# Allegro board 038RT-9068CJK8E-A100_0921.brd (continued)
## Placement (name value [footprint] x y rotation side) (continued)
NOREF#5095  -  []  592.37 267.02 0 top
NOREF#5096  -  []  458.96 48.93 0 top
NOREF#5097  -  []  325.24 240.39 90 top
NOREF#5098  -  []  615.48 152.6 0 top
NOREF#5099  -  []  404.11 201.81 0 top
NOREF#5100  -  []  622.28 218.63 0 top
NOREF#5101  -  []  602.91 241.71 0 top
NOREF#5102  -  []  360.57 212.59 90 top
NOREF#5103  -  []  617.08 316.87 90 top
NOREF#5104  -  []  96.97 211.43 90 top
NOREF#5105  -  []  274.78 280.37 90 top
NOREF#5106  -  []  531.98 204.44 0 top
NOREF#5107  -  []  88.57 268.62 0 top
NOREF#5108  -  []  397.3 212.6 90 top
NOREF#5109  -  []  169.95 445.82 0 top
NOREF#5110  -  []  608.18 181.06 90 top
NOREF#5111  -  []  407.67 260.59 0 top
NOREF#5112  -  []  678.41 276.87 0 top
NOREF#5113  -  []  228.75 144.61 0 top
NOREF#5114  -  []  281.27 268.62 0 top
NOREF#5115  -  []  516.16 41.35 90 top
NOREF#5116  -  []  117.2 309.88 0 top
NOREF#5117  -  []  288.56 250.87 90 top
NOREF#5118  -  []  628.51 196.98 0 top
NOREF#5119  -  []  340.12 426.39 0 top
NOREF#5120  -  []  331.99 424.48 90 top
NOREF#5121  -  []  117.15 279.84 90 top
NOREF#5122  -  []  500.92 44.55 0 top
NOREF#5123  -  []  284.5 200.59 90 top
NOREF#5124  -  []  242.71 201.95 90 top
NOREF#5125  -  []  605.59 201.85 90 top
NOREF#5126  -  []  270.55 436.97 90 top
NOREF#5127  -  []  277.71 272.23 0 top
NOREF#5128  -  []  410.1 271 90 top
NOREF#5129  -  []  292.09 268.21 0 top
NOREF#5130  -  []  259.01 213.31 0 top
NOREF#5131  -  []  65.5 193.27 0 top
NOREF#5132  -  []  604.38 134.37 0 top
NOREF#5133  -  []  91.37 265.03 90 top
NOREF#5134  -  []  542.4 432.05 0 top
NOREF#5135  -  []  7.76 52.32 90 top
NOREF#5136  -  []  535.06 46.5 90 top
NOREF#5137  -  []  519.43 225.76 0 top
NOREF#5138  -  []  86.97 263.02 0 top
NOREF#5139  -  []  622.66 309.88 0 top
NOREF#5140  -  []  408.5 201.39 90 top
NOREF#5141  -  []  173.01 266.69 0 top
NOREF#5142  -  []  278.49 209.81 0 top
NOREF#5143  -  []  288.11 264.21 0 top
NOREF#5144  -  []  195.9 214.96 90 top
NOREF#5145  -  []  599.17 207.45 90 top
NOREF#5146  -  []  287.29 269.03 90 top
NOREF#5147  -  []  402.9 211 90 top
NOREF#5148  -  []  386.86 261.86 90 top
NOREF#5149  -  []  517.83 415.37 0 top
NOREF#5150  -  []  99.69 229.46 90 top
NOREF#5151  -  []  279.7 203.8 90 top
NOREF#5152  -  []  434.68 274.83 0 top
NOREF#5153  -  []  638.54 347.76 90 top
NOREF#5154  -  []  207.73 96.61 90 top
NOREF#5155  -  []  440.32 280.64 0 top
NOREF#5156  -  []  684.26 269.52 90 top
NOREF#5157  -  []  583.98 241.7 0 top
NOREF#5158  -  []  121.35 270 90 top
NOREF#5159  -  []  679.31 207.6 90 top
NOREF#5160  -  []  404.47 207.02 0 top
NOREF#5161  -  []  488.58 417.96 90 top
NOREF#5162  -  []  602.39 266.65 90 top
NOREF#5163  -  []  157.3 225.22 0 top
NOREF#5164  -  []  100.97 206.63 90 top
NOREF#5165  -  []  76.56 160.02 90 top
NOREF#5166  -  []  417.35 265.79 90 top
NOREF#5167  -  []  145.3 336.22 0 top
NOREF#5168  -  []  566.05 205.62 90 top
NOREF#5169  -  []  154.12 27.68 0 top
NOREF#5170  -  []  399.67 270.22 0 top
NOREF#5171  -  []  189.31 434.8 0 top
NOREF#5172  -  []  410.49 201.03 90 top
NOREF#5173  -  []  285.67 268.25 90 top
NOREF#5174  -  []  284.89 212.25 90 top
NOREF#5175  -  []  280.5 259.8 90 top
NOREF#5176  -  []  90.97 150.04 90 top
NOREF#5177  -  []  638.54 145.52 90 top
NOREF#5178  -  []  506.73 445.44 90 top
NOREF#5179  -  []  602.39 269.81 0 top
NOREF#5180  -  []  105.38 202.96 90 top
NOREF#5181  -  []  150.53 436.75 0 top
NOREF#5182  -  []  337.67 227.96 0 top
NOREF#5183  -  []  340.54 17.88 90 top
NOREF#5184  -  []  73.52 316.87 90 top
NOREF#5185  -  []  514.03 260.48 90 top
NOREF#5186  -  []  398.87 269.42 0 top
NOREF#5187  -  []  508.85 45.59 90 top
NOREF#5188  -  []  638.54 160.43 90 top
NOREF#5189  -  []  565.51 309.88 0 top
NOREF#5190  -  []  107.35 426.58 90 top
NOREF#5191  -  []  284.87 265.03 90 top
NOREF#5192  -  []  20.08 369.99 0 top
NOREF#5193  -  []  85.4 259.02 0 top
NOREF#5194  -  []  417.85 201.92 0 top
NOREF#5195  -  []  89.79 209.01 0 top
NOREF#5196  -  []  290.51 273.01 0 top
NOREF#5197  -  []  250.33 205.67 90 top
NOREF#5198  -  []  402.49 207.45 90 top
NOREF#5199  -  []  541 433.7 0 top
NOREF#5200  -  []  340.65 273.66 90 top
NOREF#5201  -  []  592.43 240.8 90 top
NOREF#5202  -  []  238.83 209.39 90 top
NOREF#5203  -  []  379.01 206.2 0 top
NOREF#5204  -  []  104.51 208.13 0 top
NOREF#5205  -  []  604.01 273.83 0 top
NOREF#5206  -  []  19.11 390.21 0 top
NOREF#5207  -  []  77.56 197.87 0 top
NOREF#5208  -  []  436.51 286.73 0 top
NOREF#5209  -  []  673.94 58.67 0 top
NOREF#5210  -  []  593.97 211.82 0 top
NOREF#5211  -  []  87 269.39 90 top
NOREF#5212  -  []  408.47 209.42 0 top
NOREF#5213  -  []  408.07 198.65 90 top
NOREF#5214  -  []  297.35 205.79 90 top
NOREF#5215  -  []  631.5 352.16 90 top
NOREF#5216  -  []  605.57 209.85 90 top
NOREF#5217  -  []  578.98 309.63 90 top
NOREF#5218  -  []  573.99 214.56 90 top
NOREF#5219  -  []  82.91 164.08 0 top
NOREF#5220  -  []  356.84 38.91 0 top
NOREF#5221  -  []  211.66 214.96 90 top
NOREF#5222  -  []  98.59 264.21 0 top
NOREF#5223  -  []  687.4 17.91 90 top
NOREF#5224  -  []  94.2 208.6 90 top
NOREF#5225  -  []  118.98 49.42 0 top
NOREF#5226  -  []  608.78 273.07 90 top
NOREF#5227  -  []  429.28 274.83 0 top
NOREF#5228  -  []  313.7 27.31 90 top
NOREF#5229  -  []  410.49 270.63 0 top
NOREF#5230  -  []  291.27 270.63 90 top
NOREF#5231  -  []  337.67 239.39 0 top
NOREF#5232  -  []  291.27 269.83 90 top
NOREF#5233  -  []  281.2 220.07 0 top
NOREF#5234  -  []  340.65 239.37 90 top
NOREF#5235  -  []  88.6 260.59 90 top
NOREF#5236  -  []  282.4 223.23 90 top
NOREF#5237  -  []  401.69 199.43 0 top
NOREF#5238  -  []  175.67 34.34 0 top
NOREF#5239  -  []  569.95 450.48 0 top
NOREF#5240  -  []  392.3 219.22 0 top
NOREF#5241  -  []  622.79 136.27 90 top
NOREF#5242  -  []  553.22 429.85 90 top
NOREF#5243  -  []  413.69 266.65 90 top
NOREF#5244  -  []  553.22 424.45 90 top
NOREF#5245  -  []  682.28 175.65 90 top
NOREF#5246  -  []  575.61 34.98 0 top
NOREF#5247  -  []  603.61 217.3 90 top
NOREF#5248  -  []  228.47 432.64 90 top
NOREF#5249  -  []  594.79 241.71 90 top
NOREF#5250  -  []  25.22 390.94 90 top
NOREF#5251  -  []  102.23 289.19 90 top
NOREF#5252  -  []  89.79 208.21 0 top
NOREF#5253  -  []  272.3 253.22 90 top
NOREF#5254  -  []  291.29 261.03 90 top
NOREF#5255  -  []  51.24 157.48 90 top
NOREF#5256  -  []  281.69 199.43 0 top
NOREF#5257  -  []  278.1 213.42 0 top
NOREF#5258  -  []  623.88 284.89 90 top
NOREF#5259  -  []  337.54 22.63 90 top
NOREF#5260  -  []  595.58 192.47 90 top
NOREF#5261  -  []  67.4 246.22 0 top
NOREF#5262  -  []  266.86 201.86 90 top
NOREF#5263  -  []  333.69 415.37 90 top
NOREF#5264  -  []  91.77 260.62 0 top
NOREF#5265  -  []  370.33 213.29 90 top
NOREF#5266  -  []  81.77 331.72 90 top
NOREF#5267  -  []  576.06 255.54 90 top
NOREF#5268  -  []  330.29 227.94 90 top
NOREF#5269  -  []  409.67 268.25 90 top
NOREF#5270  -  []  209.3 280.22 0 top
NOREF#5271  -  []  59.69 154.01 0 top
NOREF#5272  -  []  361.79 224.66 90 top
NOREF#5273  -  []  673.94 28.83 90 top
NOREF#5274  -  []  217.75 435.84 0 top
NOREF#5275  -  []  77.64 197.69 90 top
NOREF#5276  -  []  412.07 209.85 90 top
NOREF#5277  -  []  602.39 270.63 0 top
NOREF#5278  -  []  600.37 266.22 0 top
NOREF#5279  -  []  401.3 211 90 top
NOREF#5280  -  []  593.17 263.82 0 top
NOREF#5281  -  []  385.3 184.22 90 top
NOREF#5282  -  []  197.76 21.33 0 top
NOREF#5283  -  []  662.16 14.6 0 top
NOREF#5284  -  []  390 27.63 0 top
NOREF#5285  -  []  604.3 241.7 90 top
NOREF#5286  -  []  605.57 201.05 90 top
NOREF#5287  -  []  406.49 210.61 0 top
NOREF#5288  -  []  282.59 220.05 0 top
NOREF#5289  -  []  237.23 211.69 0 top
NOREF#5290  -  []  86.2 259 90 top
NOREF#5291  -  []  404.11 205.03 0 top
NOREF#5292  -  []  358.67 289.31 0 top
NOREF#5293  -  []  337.68 41.15 90 top
NOREF#5294  -  []  351.03 23.47 0 top
NOREF#5295  -  []  237.33 426.36 0 top
NOREF#5296  -  []  95.26 188.97 90 top
NOREF#5297  -  []  484.3 181.22 90 top
NOREF#5298  -  []  285.69 201.03 0 top
NOREF#5299  -  []  20.34 244.47 90 top
NOREF#5300  -  []  601.2 200.59 90 top
NOREF#5301  -  []  280.89 211.41 0 top
NOREF#5302  -  []  599.97 207.45 90 top
NOREF#5303  -  []  288.87 267.43 90 top
NOREF#5304  -  []  155.82 24.68 0 top
NOREF#5305  -  []  516.12 443.53 0 top
NOREF#5306  -  []  363.71 428.29 90 top
NOREF#5307  -  []  282.4 219.42 90 top
NOREF#5308  -  []  578.34 157.23 0 top
NOREF#5309  -  []  85.65 230.09 0 top
NOREF#5310  -  []  412.47 202.22 0 top
NOREF#5311  -  []  421.32 426.36 0 top
NOREF#5312  -  []  30.01 423.7 90 top
NOREF#5313  -  []  283.67 208.62 0 top
NOREF#5314  -  []  573.99 274.56 90 top
NOREF#5315  -  []  549.42 232.05 0 top
NOREF#5316  -  []  286.51 272.21 0 top
NOREF#5317  -  []  277.27 269.42 0 top
NOREF#5318  -  []  272.7 146.04 0 top
NOREF#5319  -  []  285.69 201.03 90 top
NOREF#5320  -  []  437.4 284.38 90 top
NOREF#5321  -  []  102.23 230.41 90 top
NOREF#5322  -  []  315.3 43.28 0 top
NOREF#5323  -  []  577.81 34.98 90 top
NOREF#5324  -  []  151.93 431.9 90 top
NOREF#5325  -  []  123.55 309.88 0 top
NOREF#5326  -  []  247.28 265.91 0 top
NOREF#5327  -  []  405.71 209.81 0 top
NOREF#5328  -  []  405.71 264.21 0 top
NOREF#5329  -  []  528.13 183.99 0 top
NOREF#5330  -  []  402.1 271 90 top
NOREF#5331  -  []  413.67 267.43 90 top
NOREF#5332  -  []  600.79 258.63 90 top
NOREF#5333  -  []  296.05 39.2 90 top
NOREF#5334  -  []  404.47 267.82 0 top
NOREF#5335  -  []  329.32 437.01 90 top
NOREF#5336  -  []  217.7 194.14 0 top
NOREF#5337  -  []  25.18 396.01 0 top
NOREF#5338  -  []  278.1 259.02 90 top
NOREF#5339  -  []  606.37 200.23 90 top
NOREF#5340  -  []  591.21 267.43 0 top
NOREF#5341  -  []  408.89 200.98 0 top
NOREF#5342  -  []  542.62 447.54 0 top
NOREF#5343  -  []  400.89 272.21 0 top
NOREF#5344  -  []  246.23 213.29 0 top
NOREF#5345  -  []  74.28 312.42 90 top
NOREF#5346  -  []  508.85 29.72 90 top
NOREF#5347  -  []  76.56 164.08 0 top
NOREF#5348  -  []  293.69 206.65 90 top
NOREF#5349  -  []  400.07 209.03 90 top
NOREF#5350  -  []  439.11 278.61 0 top
NOREF#5351  -  []  277.65 430.09 90 top
NOREF#5352  -  []  613.77 160.02 90 top
NOREF#5353  -  []  623.88 219.68 0 top
NOREF#5354  -  []  539.8 133.72 90 top
NOREF#5355  -  []  173.37 235.79 90 top
NOREF#5356  -  []  187.6 443.92 90 top
NOREF#5357  -  []  88.99 210.63 0 top
NOREF#5358  -  []  363.31 49.56 0 top
NOREF#5359  -  []  59.69 163.53 90 top
NOREF#5360  -  []  617.08 338.45 90 top
NOREF#5361  -  []  292.59 188.81 90 top
NOREF#5362  -  []  593.59 207.45 90 top
NOREF#5363  -  []  366.53 273.53 0 top
NOREF#5364  -  []  601.07 160.02 90 top
NOREF#5365  -  []  313.88 436.45 0 top
NOREF#5366  -  []  96.99 273.03 0 top
NOREF#5367  -  []  111.62 309.63 90 top
NOREF#5368  -  []  22.81 385.51 90 top
NOREF#5369  -  []  276.49 283.86 0 top
NOREF#5370  -  []  412.09 272.23 90 top
NOREF#5371  -  []  297.85 201.92 0 top
NOREF#5372  -  []  371.96 53.56 90 top
NOREF#5373  -  []  99.39 262.61 0 top
NOREF#5374  -  []  598.02 241.06 90 top
NOREF#5375  -  []  404.11 267.43 0 top
NOREF#5376  -  []  585.33 316.87 90 top
NOREF#5377  -  []  287.31 204.23 0 top
NOREF#5378  -  []  189.82 28.72 0 top
NOREF#5379  -  []  595.19 268.25 90 top
NOREF#5380  -  []  152.85 272.9 0 top
NOREF#5381  -  []  91.39 213.03 0 top
NOREF#5382  -  []  615.81 134.37 0 top
NOREF#5383  -  []  354.63 43.03 0 top
NOREF#5384  -  []  437.4 288.44 90 top
NOREF#5385  -  []  104.26 230.41 90 top
NOREF#5386  -  []  281.71 201.81 0 top
NOREF#5387  -  []  330.54 40.08 90 top
NOREF#5388  -  []  398.38 185.05 90 top
NOREF#5389  -  []  291.27 208.23 90 top
NOREF#5390  -  []  246.3 273.11 90 top
NOREF#5391  -  []  311.26 434.85 90 top
NOREF#5392  -  []  237.26 23.33 90 top
NOREF#5393  -  []  285.71 204.21 0 top
NOREF#5394  -  []  91.46 195.14 90 top
NOREF#5395  -  []  400.5 259.8 90 top
NOREF#5396  -  []  405.69 261.03 90 top
NOREF#5397  -  []  596.79 199.45 90 top
NOREF#5398  -  []  747.89 85.99 0 top
NOREF#5399  -  []  593.75 254.06 0 top
NOREF#5400  -  []  100.97 265.83 90 top
NOREF#5401  -  []  365.04 263.71 90 top
NOREF#5402  -  []  97.79 209.01 0 top
NOREF#5403  -  []  317.92 43.81 0 top
NOREF#5404  -  []  144.5 206.73 90 top
NOREF#5405  -  []  604.02 19.99 0 top
NOREF#5406  -  []  294.96 27.63 90 top
NOREF#5407  -  []  631.5 349.96 90 top
NOREF#5408  -  []  342.24 32 0 top
NOREF#5409  -  []  302.24 267.47 90 top
NOREF#5410  -  []  99 259.02 0 top
NOREF#5411  -  []  59.69 166.73 0 top
NOREF#5412  -  []  317 420.16 90 top
NOREF#5413  -  []  -57.3 124.07 0 top
NOREF#5414  -  []  153.22 230.84 90 top
NOREF#5415  -  []  94.17 271.82 0 top
NOREF#5416  -  []  91.41 204.21 0 top
NOREF#5417  -  []  234.39 183.38 90 top
NOREF#5418  -  []  95.37 204.25 90 top
NOREF#5419  -  []  336.67 229.61 90 top
NOREF#5420  -  []  379.53 416.84 90 top
NOREF#5421  -  []  89.53 289.46 90 top
NOREF#5422  -  []  72.75 309.88 0 top
NOREF#5423  -  []  93.86 279.07 90 top
NOREF#5424  -  []  78.27 153.24 0 top
NOREF#5425  -  []  440.01 225.03 0 top
NOREF#5426  -  []  89.79 269.01 0 top
NOREF#5427  -  []  91.56 229.46 90 top
NOREF#5428  -  []  278.64 43.68 0 top
NOREF#5429  -  []  602.39 261.83 0 top
NOREF#5430  -  []  182.96 434.8 90 top
NOREF#5431  -  []  602.41 208.23 0 top
NOREF#5432  -  []  184.56 438.45 90 top
NOREF#5433  -  []  81.36 262.82 90 top
NOREF#5434  -  []  631.5 160.43 90 top
NOREF#5435  -  []  277.14 283.88 0 top
NOREF#5436  -  []  98.17 207.02 0 top
NOREF#5437  -  []  618 241.02 90 top
NOREF#5438  -  []  400.5 38.13 90 top
NOREF#5439  -  []  404.11 272.21 0 top
NOREF#5440  -  []  278.85 279.15 90 top
NOREF#5441  -  []  4.26 330.2 90 top
NOREF#5442  -  []  593.59 272.21 0 top
NOREF#5443  -  []  601.17 207.82 0 top
NOREF#5444  -  []  94.61 268.23 0 top
NOREF#5445  -  []  106.87 325.6 0 top
NOREF#5446  -  []  516.12 424.48 0 top
NOREF#5447  -  []  283.29 266.61 0 top
NOREF#5448  -  []  11.29 285.03 0 top
NOREF#5449  -  []  120.38 29.42 90 top
NOREF#5450  -  []  595.17 206.63 90 top
NOREF#5451  -  []  471.66 233.37 0 top
NOREF#5452  -  []  257.77 330.54 90 top
NOREF#5453  -  []  100.82 310.77 90 top
NOREF#5454  -  []  290.49 270.63 0 top
NOREF#5455  -  []  91.39 205.03 0 top
NOREF#5456  -  []  56.39 212.12 0 top
NOREF#5457  -  []  586.08 204.28 0 top
NOREF#5458  -  []  631.5 368.07 0 top
NOREF#5459  -  []  6.8 325.12 90 top
NOREF#5460  -  []  441.22 277.63 90 top
NOREF#5461  -  []  166.96 271.5 0 top
NOREF#5462  -  []  406.51 212.21 0 top
NOREF#5463  -  []  283.7 199.8 90 top
NOREF#5464  -  []  278.51 209.03 0 top
NOREF#5465  -  []  86.85 229.44 90 top
NOREF#5466  -  []  86.2 199 90 top
NOREF#5467  -  []  88.19 264.21 0 top
NOREF#5468  -  []  245.33 265.91 0 top
NOREF#5469  -  []  95.81 230.09 0 top
NOREF#5470  -  []  475.55 39.2 90 top
NOREF#5471  -  []  288.89 263.43 90 top
NOREF#5472  -  []  333.73 378.54 0 top
NOREF#5473  -  []  245.04 202.32 90 top
NOREF#5474  -  []  273.03 265.66 90 top
NOREF#5475  -  []  514.03 225.76 0 top
NOREF#5476  -  []  86.22 150.5 90 top
NOREF#5477  -  []  605.57 205.83 90 top
NOREF#5478  -  []  441.21 220.31 90 top
NOREF#5479  -  []  103.94 290.09 0 top
NOREF#5480  -  []  27.3 398.43 0 top
NOREF#5481  -  []  612.63 310.77 90 top
NOREF#5482  -  []  647.13 63.21 90 top
NOREF#5483  -  []  610.95 293.32 0 top
NOREF#5484  -  []  342.05 250.8 90 top
NOREF#5485  -  []  591.57 207.82 0 top
NOREF#5486  -  []  96.19 268.25 90 top
NOREF#5487  -  []  633.37 224.63 90 top
NOREF#5488  -  []  366.53 265.91 0 top
NOREF#5489  -  []  95.61 164.08 0 top
NOREF#5490  -  []  24.99 468.25 90 top
NOREF#5491  -  []  287.31 266.63 0 top
NOREF#5492  -  []  227.8 263 0 top
NOREF#5493  -  []  106.25 271.18 90 top
NOREF#5494  -  []  96.57 208.62 0 top
NOREF#5495  -  []  282.91 431.02 90 top
NOREF#5496  -  []  72.88 131.19 90 top
NOREF#5497  -  []  94.61 265.83 0 top
NOREF#5498  -  []  598 266.2 90 top
NOREF#5499  -  []  299.34 426.36 0 top
NOREF#5500  -  []  354.63 58.88 90 top
NOREF#5501  -  []  190.91 438.45 90 top
NOREF#5502  -  []  274.78 220.37 90 top
NOREF#5503  -  []  338.32 273.68 0 top
NOREF#5504  -  []  104.9 266.89 90 top
NOREF#5505  -  []  408.55 190.87 90 top
NOREF#5506  -  []  497.24 326.54 90 top
NOREF#5507  -  []  299.43 201.14 90 top
NOREF#5508  -  []  282.79 92.61 90 top
NOREF#5509  -  []  394.75 243.91 90 top
NOREF#5510  -  []  338.48 48.17 0 top
NOREF#5511  -  []  398.51 269.03 0 top
NOREF#5512  -  []  399.35 36.71 90 top
NOREF#5513  -  []  289.7 290.11 90 top
NOREF#5514  -  []  90.04 229.19 90 top
NOREF#5515  -  []  91.37 204.23 90 top
NOREF#5516  -  []  69.07 310.77 90 top
NOREF#5517  -  []  679.31 269.88 0 top
NOREF#5518  -  []  7.76 52.32 90 top
NOREF#5519  -  []  328.89 216.51 90 top
NOREF#5520  -  []  399.7 260.59 90 top
NOREF#5521  -  []  280.88 282.96 90 top
NOREF#5522  -  []  603.57 259.82 0 top
NOREF#5523  -  []  284.44 219.42 90 top
NOREF#5524  -  []  288.47 269.42 0 top
NOREF#5525  -  []  517.23 263.68 0 top
NOREF#5526  -  []  278.52 283.86 0 top
NOREF#5527  -  []  598.85 182.91 0 top
NOREF#5528  -  []  538.08 52.55 90 top
NOREF#5529  -  []  72.6 228.22 90 top
NOREF#5530  -  []  559.93 309.63 90 top
NOREF#5531  -  []  417.46 262.29 90 top
NOREF#5532  -  []  618.14 19.68 90 top
NOREF#5533  -  []  75.12 322.4 90 top
NOREF#5534  -  []  432.77 422.36 90 top
NOREF#5535  -  []  66.57 191.26 90 top
NOREF#5536  -  []  77.64 202.39 90 top
NOREF#5537  -  []  462.51 38.13 90 top
NOREF#5538  -  []  405.67 208.25 90 top
NOREF#5539  -  []  392.35 233.32 0 top
NOREF#5540  -  []  94.97 267.02 0 top
NOREF#5541  -  []  292.95 278.14 0 top
NOREF#5542  -  []  281.75 279.4 90 top
NOREF#5543  -  []  632.68 256.55 90 top
NOREF#5544  -  []  345.5 433.78 0 top
NOREF#5545  -  []  690.26 280.33 90 top
NOREF#5546  -  []  408.55 250.87 90 top
NOREF#5547  -  []  436.51 284.7 0 top
NOREF#5548  -  []  402.7 33.83 90 top
NOREF#5549  -  []  600.23 241.7 90 top
NOREF#5550  -  []  575.12 271.18 90 top
NOREF#5551  -  []  192.62 29.12 90 top
NOREF#5552  -  []  600.77 203.45 90 top
NOREF#5553  -  []  566.15 319.4 0 top
NOREF#5554  -  []  347.1 437.44 90 top
NOREF#5555  -  []  88.6 269.39 90 top
NOREF#5556  -  []  216.91 36.71 90 top
NOREF#5557  -  []  25.83 396.01 90 top
NOREF#5558  -  []  173.37 229.44 90 top
NOREF#5559  -  []  632.24 346.11 90 top
NOREF#5560  -  []  604.37 214.22 0 top
NOREF#5561  -  []  170.15 286.01 0 top
NOREF#5562  -  []  583.73 149.4 90 top
NOREF#5563  -  []  83.62 290.09 0 top
NOREF#5564  -  []  288.09 203.43 90 top
NOREF#5565  -  []  286.07 207.02 0 top
NOREF#5566  -  []  367.28 265.91 0 top
NOREF#5567  -  []  290.9 271.79 90 top
NOREF#5568  -  []  112.38 312.42 90 top
NOREF#5569  -  []  440.02 224.38 0 top
NOREF#5570  -  []  245.04 203.72 90 top
NOREF#5571  -  []  293.67 261.03 90 top
NOREF#5572  -  []  352.2 263 0 top
NOREF#5573  -  []  94.59 263.43 90 top
NOREF#5574  -  []  285.11 193.92 0 top
NOREF#5575  -  []  284.34 285.56 90 top
NOREF#5576  -  []  400.89 266.63 90 top
NOREF#5577  -  []  412.09 261.81 0 top
NOREF#5578  -  []  60.63 251.22 90 top
NOREF#5579  -  []  592.79 264.25 90 top
NOREF#5580  -  []  347.8 263 0 top
NOREF#5581  -  []  103.75 289.46 90 top
NOREF#5582  -  []  297.83 28.45 90 top
NOREF#5583  -  []  190.56 177.16 0 top
NOREF#5584  -  []  94.61 266.63 0 top
NOREF#5585  -  []  98.59 268.21 0 top
NOREF#5586  -  []  286.34 278.14 0 top
NOREF#5587  -  []  96.57 266.22 0 top
NOREF#5588  -  []  519.64 44.45 90 top
NOREF#5589  -  []  399.27 271.45 90 top
NOREF#5590  -  []  606.37 260.23 90 top
NOREF#5591  -  []  11.81 16.65 90 top
NOREF#5592  -  []  594.46 182.01 90 top
NOREF#5593  -  []  288.47 211.82 0 top
NOREF#5594  -  []  263.76 416.84 90 top
NOREF#5595  -  []  598.41 267.41 0 top
NOREF#5596  -  []  601.17 267.82 0 top
NOREF#5597  -  []  238.53 201.52 90 top
NOREF#5598  -  []  690.26 261.28 90 top
NOREF#5599  -  []  88.19 206.65 90 top
NOREF#5600  -  []  365.39 442.9 90 top
NOREF#5601  -  []  406.34 278.14 0 top
NOREF#5602  -  []  92.97 207.45 90 top
NOREF#5603  -  []  400.89 210.61 0 top
NOREF#5604  -  []  90.59 205.85 90 top
NOREF#5605  -  []  498.69 33.53 0 top
NOREF#5606  -  []  140.86 287.41 0 top
NOREF#5607  -  []  207.73 326.54 90 top
NOREF#5608  -  []  92.19 212.23 90 top
NOREF#5609  -  []  124.32 149.61 90 top
NOREF#5610  -  []  602.77 261.42 0 top
NOREF#5611  -  []  272.3 193.22 90 top
NOREF#5612  -  []  436.21 284.38 0 top
NOREF#5613  -  []  236.95 423.14 90 top
NOREF#5614  -  []  278.52 223.86 0 top
NOREF#5615  -  []  403.63 435.24 90 top
NOREF#5616  -  []  175.34 434.8 90 top
NOREF#5617  -  []  106.35 215.65 90 top
NOREF#5618  -  []  412.09 268.21 0 top
NOREF#5619  -  []  94.59 203.43 90 top
NOREF#5620  -  []  324.89 232.64 0 top
NOREF#5621  -  []  336.67 241.04 90 top
NOREF#5622  -  []  2.21 277.28 90 top
NOREF#5623  -  []  7.76 178.69 90 top
NOREF#5624  -  []  601.59 261.83 0 top
NOREF#5625  -  []  628.81 261.37 90 top
NOREF#5626  -  []  608.87 26.64 0 top
NOREF#5627  -  []  345.83 426.39 0 top
NOREF#5628  -  []  184.37 266.69 0 top
NOREF#5629  -  []  251.77 378.54 0 top
NOREF#5630  -  []  94.97 269.42 0 top
NOREF#5631  -  []  495.01 31.37 90 top
NOREF#5632  -  []  615.17 275.22 90 top
NOREF#5633  -  []  101.07 229.44 90 top
NOREF#5634  -  []  596.79 269.81 0 top
NOREF#5635  -  []  99.39 207.41 0 top
NOREF#5636  -  []  402.1 211 90 top
NOREF#5637  -  []  281.2 283.88 0 top
NOREF#5638  -  []  586.33 180.8 90 top
NOREF#5639  -  []  162.74 222.56 90 top
NOREF#5640  -  []  341.01 446.71 90 top
NOREF#5641  -  []  365.04 262.31 90 top
NOREF#5642  -  []  268.15 189.07 90 top
NOREF#5643  -  []  91 205.39 90 top
NOREF#5644  -  []  595.17 211.43 90 top
NOREF#5645  -  []  623.58 219.93 90 top
NOREF#5646  -  []  96.19 205.85 90 top
NOREF#5647  -  []  399.31 207.43 0 top
NOREF#5648  -  []  97.01 202.63 0 top
NOREF#5649  -  []  595.99 206.61 0 top
NOREF#5650  -  []  66.87 186.3 90 top
NOREF#5651  -  []  190.91 447.73 90 top
NOREF#5652  -  []  358.37 32.31 90 top
NOREF#5653  -  []  604.3 242.9 0 top
NOREF#5654  -  []  100.97 261.03 90 top
NOREF#5655  -  []  285.69 199.43 0 top
NOREF#5656  -  []  385.3 181.02 90 top
NOREF#5657  -  []  340.05 29.35 90 top
NOREF#5658  -  []  594.77 203.82 0 top
NOREF#5659  -  []  87.39 267.45 90 top
NOREF#5660  -  []  704.31 271.4 90 top
NOREF#5661  -  []  670.26 243.53 0 top
NOREF#5662  -  []  26.49 485.4 0 top
NOREF#5663  -  []  498.27 216.36 90 top
NOREF#5664  -  []  74.28 333.38 90 top
NOREF#5665  -  []  279.7 263.8 90 top
NOREF#5666  -  []  416.58 454.84 315 top
NOREF#5667  -  []  97.01 213.01 0 top
NOREF#5668  -  []  290.95 285.56 90 top
NOREF#5669  -  []  11.67 393.57 90 top
NOREF#5670  -  []  357.78 263.62 0 top
NOREF#5671  -  []  77.86 202.82 0 top
NOREF#5672  -  []  96.19 266.65 90 top
NOREF#5673  -  []  612.96 347.19 0 top
NOREF#5674  -  []  95.77 211.82 0 top
NOREF#5675  -  []  408.47 271.02 0 top
NOREF#5676  -  []  596.79 212.21 0 top
NOREF#5677  -  []  330.62 262.23 90 top
NOREF#5678  -  []  548.62 422.8 0 top
NOREF#5679  -  []  282.64 439.19 0 top
NOREF#5680  -  []  318.15 32.26 0 top
NOREF#5681  -  []  90.36 230.11 0 top
NOREF#5682  -  []  411.27 208.23 90 top
NOREF#5683  -  []  287.67 264.62 0 top
NOREF#5684  -  []  683.79 350.52 0 top
NOREF#5685  -  []  592.81 205.83 0 top
NOREF#5686  -  []  590.07 241.7 0 top
NOREF#5687  -  []  400.89 264.23 90 top
NOREF#5688  -  []  281.69 210.63 0 top
NOREF#5689  -  []  606.33 241.7 0 top
NOREF#5690  -  []  253.61 203 90 top
NOREF#5691  -  []  437.41 287.79 90 top
NOREF#5692  -  []  341.01 419.02 90 top
NOREF#5693  -  []  572.8 286.22 0 top
NOREF#5694  -  []  331.99 442.9 0 top
NOREF#5695  -  []  585.18 241.05 90 top
NOREF#5696  -  []  325.46 43.28 0 top
NOREF#5697  -  []  358.83 261.77 90 top
NOREF#5698  -  []  336.65 197.65 0 top
NOREF#5699  -  []  412.2 218.14 0 top
NOREF#5700  -  []  287.9 193.53 90 top
NOREF#5701  -  []  601.59 213.03 0 top
NOREF#5702  -  []  711.28 193.4 90 top
NOREF#5703  -  []  27.76 392.59 90 top
NOREF#5704  -  []  410.95 285.56 90 top
NOREF#5705  -  []  83.94 289.19 90 top
NOREF#5706  -  []  404.87 269.85 90 top
NOREF#5707  -  []  93.57 194.24 90 top
NOREF#5708  -  []  92.07 289.19 90 top
NOREF#5709  -  []  400.89 270.61 0 top
NOREF#5710  -  []  295.3 286.19 0 top
NOREF#5711  -  []  114.66 160.02 90 top
NOREF#5712  -  []  257.77 326.54 90 top
NOREF#5713  -  []  392.13 263.55 90 top
NOREF#5714  -  []  284.09 269.03 0 top
NOREF#5715  -  []  95.39 272.21 0 top
NOREF#5716  -  []  327.57 144.61 0 top
NOREF#5717  -  []  236 284.13 90 top
NOREF#5718  -  []  461.73 144.84 0 top
NOREF#5719  -  []  615.48 126.54 90 top
NOREF#5720  -  []  87.8 211.8 90 top
NOREF#5721  -  []  279.7 206.2 90 top
NOREF#5722  -  []  366.23 265.66 0 top
NOREF#5723  -  []  678.41 295.92 0 top
NOREF#5724  -  []  401.71 210.61 0 top
NOREF#5725  -  []  555.35 49.32 0 top
NOREF#5726  -  []  156.88 425.85 90 top
NOREF#5727  -  []  436.2 229.09 0 top
NOREF#5728  -  []  97.84 230.09 0 top
NOREF#5729  -  []  510.28 416.31 90 top
NOREF#5730  -  []  409.69 209.01 0 top
NOREF#5731  -  []  394.53 336.54 90 top
NOREF#5732  -  []  440.02 222.34 0 top
NOREF#5733  -  []  493.24 144.61 0 top
NOREF#5734  -  []  398.07 272.62 0 top
NOREF#5735  -  []  353.8 29.84 90 top
NOREF#5736  -  []  79.87 330.58 90 top
NOREF#5737  -  []  412.07 269.85 90 top
NOREF#5738  -  []  608.18 241.06 90 top
NOREF#5739  -  []  94.61 206.63 0 top
NOREF#5740  -  []  604.02 19.99 90 top
NOREF#5741  -  []  72.02 261.92 90 top
NOREF#5742  -  []  591.21 210.63 0 top
NOREF#5743  -  []  87.41 213.01 0 top
NOREF#5744  -  []  414.5 277.54 90 top
NOREF#5745  -  []  164.3 318.22 0 top
NOREF#5746  -  []  263.3 286.22 0 top
NOREF#5747  -  []  609.98 270.47 0 top
NOREF#5748  -  []  606.37 203.45 90 top
NOREF#5749  -  []  99.37 209.03 90 top
NOREF#5750  -  []  412.09 201.81 0 top
NOREF#5751  -  []  32.92 390.66 90 top
NOREF#5752  -  []  568.18 314.58 0 top
NOREF#5753  -  []  18.92 423.82 0 top
NOREF#5754  -  []  545.02 232.05 0 top
NOREF#5755  -  []  603.6 262.2 90 top
NOREF#5756  -  []  472.22 96.61 90 top
NOREF#5757  -  []  525.26 446.3 0 top
NOREF#5758  -  []  399.67 207.82 0 top
NOREF#5759  -  []  508.85 49.4 0 top
NOREF#5760  -  []  408.47 269.42 0 top
NOREF#5761  -  []  83.94 229.19 90 top
NOREF#5762  -  []  553.22 427.65 90 top
NOREF#5763  -  []  410.87 261.42 0 top
NOREF#5764  -  []  375.07 29.12 90 top
NOREF#5765  -  []  22.85 8.42 90 top
NOREF#5766  -  []  254.87 184.16 0 top
NOREF#5767  -  []  598.85 242.91 0 top
NOREF#5768  -  []  592.79 204.25 90 top
NOREF#5769  -  []  516.16 44.55 0 top
NOREF#5770  -  []  415.94 190.79 0 top
NOREF#5771  -  []  604.79 204.21 0 top
NOREF#5772  -  []  356 224.13 90 top
NOREF#5773  -  []  203.26 23.33 0 top
NOREF#5774  -  []  89.01 259.41 0 top
NOREF#5775  -  []  366.53 205.92 0 top
NOREF#5776  -  []  99.87 290.09 0 top
NOREF#5777  -  []  572.63 316.87 90 top
NOREF#5778  -  []  98.16 290.41 90 top
NOREF#5779  -  []  441.22 217.63 90 top
NOREF#5780  -  []  91.46 255.14 90 top
NOREF#5781  -  []  79.23 154.05 90 top
NOREF#5782  -  []  585.18 181.05 90 top
NOREF#5783  -  []  465.64 435.24 90 top
NOREF#5784  -  []  97.79 269.81 0 top
NOREF#5785  -  []  116.37 153.24 0 top
NOREF#5786  -  []  195.72 53.56 90 top
NOREF#5787  -  []  58.89 276.31 0 top
NOREF#5788  -  []  498.27 266.69 90 top
NOREF#5789  -  []  403.29 267.41 0 top
NOREF#5790  -  []  673.94 179.96 0 top
NOREF#5791  -  []  293.67 207.43 90 top
NOREF#5792  -  []  104.59 290.11 0 top
NOREF#5793  -  []  174.65 36.88 90 top
NOREF#5794  -  []  121.01 149.86 90 top
NOREF#5795  -  []  604.77 261.05 90 top
NOREF#5796  -  []  287.29 268.21 0 top
NOREF#5797  -  []  404.09 209.03 0 top
NOREF#5798  -  []  348.56 17.88 90 top
NOREF#5799  -  []  594.77 204.62 0 top
NOREF#5800  -  []  543.37 230.65 0 top
NOREF#5801  -  []  92.57 150.5 90 top
NOREF#5802  -  []  324.89 221.21 0 top
NOREF#5803  -  []  92.07 229.19 90 top
NOREF#5804  -  []  673.94 26.29 0 top
NOREF#5805  -  []  352.82 446.71 90 top
NOREF#5806  -  []  229.6 230.73 0 top
NOREF#5807  -  []  77.86 198.12 0 top
NOREF#5808  -  []  94.1 229.19 90 top
NOREF#5809  -  []  96.99 272.21 0 top
NOREF#5810  -  []  403.67 263.02 0 top
NOREF#5811  -  []  20.34 264.47 0 top
NOREF#5812  -  []  349.51 424.48 90 top
NOREF#5813  -  []  403.7 259.8 90 top
NOREF#5814  -  []  394.75 183.91 90 top
NOREF#5815  -  []  88.57 203.82 0 top
NOREF#5816  -  []  158.52 427.41 90 top
NOREF#5817  -  []  93.77 264.25 90 top
NOREF#5818  -  []  277.3 212.6 90 top
NOREF#5819  -  []  408.11 204.21 0 top
NOREF#5820  -  []  679.31 238.12 0 top
NOREF#5821  -  []  -11.44 206.3 0 top
NOREF#5822  -  []  588.37 242.01 90 top
NOREF#5823  -  []  52.31 215.01 90 top
NOREF#5824  -  []  98.59 264.25 90 top
NOREF#5825  -  []  527.31 53.55 90 top
NOREF#5826  -  []  279.17 220.07 0 top
NOREF#5827  -  []  28.43 66.68 0 top
NOREF#5828  -  []  584.23 423.82 0 top
NOREF#5829  -  []  117.97 150.5 90 top
NOREF#5830  -  []  307.86 27.56 0 top
NOREF#5831  -  []  566.05 202.44 90 top
NOREF#5832  -  []  376.81 273.31 0 top
NOREF#5833  -  []  406.9 260.59 90 top
NOREF#5834  -  []  601.59 273.03 0 top
NOREF#5835  -  []  408.87 206.63 90 top
NOREF#5836  -  []  598.39 208.23 0 top
NOREF#5837  -  []  76.66 198.12 0 top
NOREF#5838  -  []  622.83 279.93 0 top
NOREF#5839  -  []  287.7 201.39 90 top
NOREF#5840  -  []  92.97 264.25 90 top
NOREF#5841  -  []  600.79 266.63 90 top
NOREF#5842  -  []  440.32 286.73 0 top
NOREF#5843  -  []  436.98 50.36 0 top
NOREF#5844  -  []  275.66 219.4 90 top
NOREF#5845  -  []  595.99 264.21 0 top
NOREF#5846  -  []  598.53 180.8 90 top
NOREF#5847  -  []  519.43 428.29 90 top
NOREF#5848  -  []  174.65 32.31 0 top
NOREF#5849  -  []  177.86 259.08 90 top
NOREF#5850  -  []  599.99 203.43 90 top
NOREF#5851  -  []  616.44 157.23 0 top
NOREF#5852  -  []  278.51 269.03 0 top
NOREF#5853  -  []  98.49 290.11 0 top
NOREF#5854  -  []  90.61 208.21 0 top
NOREF#5855  -  []  611.36 127 90 top
NOREF#5856  -  []  104.26 289.19 90 top
NOREF#5857  -  []  77.56 257.87 0 top
NOREF#5858  -  []  487.91 231.97 0 top
NOREF#5859  -  []  625.2 358.82 90 top
NOREF#5860  -  []  283.29 269.83 90 top
NOREF#5861  -  []  87 260.59 90 top
NOREF#5862  -  []  127.36 160.02 90 top
NOREF#5863  -  []  290.1 271 90 top
NOREF#5864  -  []  280.89 266.63 90 top
NOREF#5865  -  []  410.9 271.79 90 top
NOREF#5866  -  []  468.22 144.61 0 top
NOREF#5867  -  []  287.7 211.8 90 top
NOREF#5868  -  []  59.69 373.37 90 top
NOREF#5869  -  []  408.87 272.23 90 top
NOREF#5870  -  []  97.37 271.02 0 top
NOREF#5871  -  []  77.56 202.57 0 top
NOREF#5872  -  []  90.59 261.83 0 top
NOREF#5873  -  []  98.17 261.42 0 top
NOREF#5874  -  []  588.69 182.91 0 top
NOREF#5875  -  []  86.59 198.61 0 top
NOREF#5876  -  []  292.47 207.82 0 top
NOREF#5877  -  []  398.87 209.42 0 top
NOREF#5878  -  []  412.64 44.59 90 top
NOREF#5879  -  []  220.1 192.94 90 top
NOREF#5880  -  []  409.67 200.25 90 top
NOREF#5881  -  []  57.44 390.09 0 top
NOREF#5882  -  []  508.45 448.21 90 top
NOREF#5883  -  []  597.57 205.03 90 top
NOREF#5884  -  []  218.9 193.73 90 top
NOREF#5885  -  []  90.2 262.2 90 top
NOREF#5886  -  []  359.13 378.54 0 top
NOREF#5887  -  []  93.78 230.09 0 top
NOREF#5888  -  []  604.95 241.71 90 top
NOREF#5889  -  []  383.3 226.22 0 top
NOREF#5890  -  []  98.92 309.63 90 top
NOREF#5891  -  []  408.89 206.65 90 top
NOREF#5892  -  []  602.39 210.63 0 top
NOREF#5893  -  []  598.53 182.01 90 top
NOREF#5894  -  []  281.71 205.01 0 top
NOREF#5895  -  []  366.3 265.49 90 top
NOREF#5896  -  []  595.57 271.82 0 top
NOREF#5897  -  []  638.54 352.16 90 top
NOREF#5898  -  []  250.03 265.91 90 top
NOREF#5899  -  []  97.01 260.23 0 top
NOREF#5900  -  []  291.27 268.23 90 top
NOREF#5901  -  []  529.78 204.44 0 top
NOREF#5902  -  []  278.85 284.18 90 top
NOREF#5903  -  []  404.89 203.41 0 top
NOREF#5904  -  []  600.01 210.61 0 top
NOREF#5905  -  []  177.57 445.82 90 top
NOREF#5906  -  []  128.53 54.82 90 top
NOREF#5907  -  []  89.26 164.08 0 top
NOREF#5908  -  []  337.16 51.05 0 top
NOREF#5909  -  []  90.59 265.85 90 top
NOREF#5910  -  []  360.57 206.37 90 top
NOREF#5911  -  []  405.69 264.25 90 top
NOREF#5912  -  []  280.08 251.74 90 top
NOREF#5913  -  []  596.43 149.4 90 top
NOREF#5914  -  []  608.03 215.17 0 top
NOREF#5915  -  []  99.39 265.01 0 top
NOREF#5916  -  []  601.07 164.08 0 top
NOREF#5917  -  []  92.99 259.45 90 top
NOREF#5918  -  []  24.62 65.41 0 top
NOREF#5919  -  []  287.7 269.39 90 top
NOREF#5920  -  []  11.81 175.4 90 top
NOREF#5921  -  []  91.37 209.85 90 top
NOREF#5922  -  []  195.72 50.36 90 top
NOREF#5923  -  []  175.3 216.36 0 top
NOREF#5924  -  []  284.87 265.83 90 top
NOREF#5925  -  []  408.87 212.23 90 top
NOREF#5926  -  []  415.01 39.2 90 top
NOREF#5927  -  []  570.9 219.17 90 top
NOREF#5928  -  []  137.96 427.5 0 top
NOREF#5929  -  []  682.28 49.29 90 top
NOREF#5930  -  []  602.39 209.81 0 top
NOREF#5931  -  []  340.12 444.8 90 top
NOREF#5932  -  []  638.54 368.07 0 top
NOREF#5933  -  []  410.1 200.59 90 top
NOREF#5934  -  []  240.57 264.97 90 top
NOREF#5935  -  []  595.17 266.63 90 top
NOREF#5936  -  []  338.48 48.17 90 top
NOREF#5937  -  []  88.99 261.03 90 top
NOREF#5938  -  []  398.1 213.42 0 top
NOREF#5939  -  []  408.89 272.23 0 top
NOREF#5940  -  []  343.73 332.54 90 top
NOREF#5941  -  []  604.62 180.8 90 top
NOREF#5942  -  []  539.03 237 90 top
NOREF#5943  -  []  631.5 347.76 90 top
NOREF#5944  -  []  483.45 33.53 0 top
NOREF#5945  -  []  401.69 210.63 0 top
NOREF#5946  -  []  89.4 269.39 90 top
NOREF#5947  -  []  340.65 216.51 90 top
NOREF#5948  -  []  588.04 241.7 90 top
NOREF#5949  -  []  407.7 201.39 90 top
NOREF#5950  -  []  400.5 199.8 90 top
NOREF#5951  -  []  595.57 200.62 0 top
NOREF#5952  -  []  222.05 438.04 0 top
NOREF#5953  -  []  -13.71 220.6 0 top
NOREF#5954  -  []  18.92 463.94 90 top
NOREF#5955  -  []  94.1 289.19 90 top
NOREF#5956  -  []  588.37 164.08 0 top
NOREF#5957  -  []  334.02 43.18 90 top
NOREF#5958  -  []  585.33 159.77 90 top
NOREF#5959  -  []  52.64 383.89 90 top
NOREF#5960  -  []  50.35 235.47 90 top
NOREF#5961  -  []  330.67 273.66 90 top
NOREF#5962  -  []  130.67 149.61 90 top
NOREF#5963  -  []  609.13 149.4 90 top
NOREF#5964  -  []  399.67 211.02 0 top
NOREF#5965  -  []  522.71 46.5 0 top
NOREF#5966  -  []  97.84 290.09 0 top
NOREF#5967  -  []  3.19 144.27 90 top
NOREF#5968  -  []  314.68 274.83 0 top
NOREF#5969  -  []  289.69 271.41 0 top
NOREF#5970  -  []  236 224.13 90 top
NOREF#5971  -  []  358.83 270.99 0 top
NOREF#5972  -  []  508.85 33.53 0 top
NOREF#5973  -  []  298.96 423.14 90 top
NOREF#5974  -  []  439.11 284.7 0 top
NOREF#5975  -  []  602.41 268.23 0 top
NOREF#5976  -  []  157.3 225.22 90 top
NOREF#5977  -  []  440.04 427.89 90 top
NOREF#5978  -  []  602.91 181.71 0 top
NOREF#5979  -  []  609.13 152.6 0 top
NOREF#5980  -  []  285.75 285.56 90 top
NOREF#5981  -  []  92.97 204.25 90 top
NOREF#5982  -  []  408.07 263.45 90 top
NOREF#5983  -  []  360.41 414.58 0 top
NOREF#5984  -  []  592.37 261.42 0 top
NOREF#5985  -  []  279.67 207.82 0 top
NOREF#5986  -  []  190.56 177.16 90 top
NOREF#5987  -  []  605.2 259.02 90 top
NOREF#5988  -  []  115.62 280.79 90 top
NOREF#5989  -  []  16.65 57.4 90 top
NOREF#5990  -  []  100.6 34.54 90 top
NOREF#5991  -  []  66.87 246.3 90 top
NOREF#5992  -  []  281.71 270.61 0 top
NOREF#5993  -  []  625.1 279.17 0 top
NOREF#5994  -  []  283.24 223.88 0 top
NOREF#5995  -  []  407.9 254.36 90 top
NOREF#5996  -  []  338.32 239.39 0 top
NOREF#5997  -  []  404.89 272.25 90 top
NOREF#5998  -  []  623.43 316.87 90 top
NOREF#5999  -  []  14.11 26.29 0 top
NOREF#6000  -  []  288.47 209.42 0 top
NOREF#6001  -  []  11.29 219.07 0 top
NOREF#6002  -  []  326.89 262.25 0 top
NOREF#6003  -  []  88.21 270.61 0 top
NOREF#6004  -  []  407.27 200.25 90 top
NOREF#6005  -  []  566.05 265.61 90 top
NOREF#6006  -  []  618 241.02 90 top
NOREF#6007  -  []  253.77 144.61 0 top
NOREF#6008  -  []  309.28 214.83 0 top
NOREF#6009  -  []  286.47 202.63 90 top
NOREF#6010  -  []  592.01 264.23 0 top
NOREF#6011  -  []  405.27 270.22 0 top
NOREF#6012  -  []  585 279.22 0 top
NOREF#6013  -  []  414.2 277.29 90 top
NOREF#6014  -  []  598.53 242.01 90 top
NOREF#6015  -  []  440.02 218.28 0 top
NOREF#6016  -  []  412.87 202.65 90 top
NOREF#6017  -  []  605.57 264.23 90 top
NOREF#6018  -  []  603.97 269.85 90 top
NOREF#6019  -  []  325.22 254.8 0 top
NOREF#6020  -  []  610.09 130.56 90 top
NOREF#6021  -  []  218.06 38.13 90 top
NOREF#6022  -  []  281.44 439.19 0 top
NOREF#6023  -  []  638.54 165.83 0 top
NOREF#6024  -  []  106.08 432.93 0 top
NOREF#6025  -  []  686.33 94.87 90 top
NOREF#6026  -  []  606.37 259.43 90 top
NOREF#6027  -  []  482.51 272.9 90 top
NOREF#6028  -  []  81.36 198.12 90 top
NOREF#6029  -  []  404.07 269.85 90 top
NOREF#6030  -  []  362.71 261.95 90 top
NOREF#6031  -  []  125.9 42.91 90 top
NOREF#6032  -  []  368.76 50.36 0 top
NOREF#6033  -  []  52.31 216.41 90 top
NOREF#6034  -  []  281.71 265.01 0 top
NOREF#6035  -  []  675.41 226.07 0 top
NOREF#6036  -  []  211.06 416.84 90 top
NOREF#6037  -  []  408.89 263.43 90 top
NOREF#6038  -  []  409.7 230.11 90 top
NOREF#6039  -  []  412.35 225.56 90 top
NOREF#6040  -  []  226.75 378.54 0 top
NOREF#6041  -  []  97.37 260.62 0 top
NOREF#6042  -  []  176.21 266.69 90 top
NOREF#6043  -  []  15.1 414.65 90 top
NOREF#6044  -  []  294.28 243.91 90 top
NOREF#6045  -  []  11.29 258.4 90 top
NOREF#6046  -  []  584.63 195.55 0 top
NOREF#6047  -  []  145.3 336.22 0 top
NOREF#6048  -  []  405.69 265.05 90 top
NOREF#6049  -  []  203.73 378.54 0 top
NOREF#6050  -  []  63.82 248.15 0 top
NOREF#6051  -  []  286.9 209.4 90 top
NOREF#6052  -  []  389.33 423.14 0 top
NOREF#6053  -  []  276.81 222.96 90 top
NOREF#6054  -  []  185 227.37 0 top
NOREF#6055  -  []  440.28 21.92 0 top
NOREF#6056  -  []  244.78 212.24 0 top
NOREF#6057  -  []  66.53 131.19 90 top
NOREF#6058  -  []  447.2 96.61 90 top
NOREF#6059  -  []  114.66 164.08 0 top
NOREF#6060  -  []  103.94 230.09 0 top
NOREF#6061  -  []  310.79 417.96 90 top
NOREF#6062  -  []  408.47 211.02 0 top
NOREF#6063  -  []  330.67 448.21 90 top
NOREF#6064  -  []  103.67 150.04 90 top
NOREF#6065  -  []  412.47 267.82 0 top
NOREF#6066  -  []  282.07 206.22 0 top
NOREF#6067  -  []  238.83 210.99 0 top
NOREF#6068  -  []  86.97 266.22 0 top
NOREF#6069  -  []  673.94 185.04 0 top
NOREF#6070  -  []  274.75 243.91 90 top
NOREF#6071  -  []  556.62 164.08 0 top
NOREF#6072  -  []  532.98 276.1 0 top
NOREF#6073  -  []  404.34 225.56 90 top
NOREF#6074  -  []  178.5 228.77 90 top
NOREF#6075  -  []  385.96 275.24 90 top
NOREF#6076  -  []  398.1 273.42 0 top
NOREF#6077  -  []  186.65 228.77 0 top
NOREF#6078  -  []  340.75 29.07 90 top
NOREF#6079  -  []  115.3 220.48 0 top
NOREF#6080  -  []  403.29 266.61 0 top
NOREF#6081  -  []  517.23 225.76 0 top
NOREF#6082  -  []  53.39 380.04 90 top
NOREF#6083  -  []  406.49 204.23 0 top
NOREF#6084  -  []  404.89 269.03 0 top
NOREF#6085  -  []  498.27 225.76 0 top
NOREF#6086  -  []  601.17 269.42 0 top
NOREF#6087  -  []  569.32 164.08 0 top
NOREF#6088  -  []  402.1 202.2 90 top
NOREF#6089  -  []  407.7 269.39 90 top
NOREF#6090  -  []  403.27 269.85 90 top
NOREF#6091  -  []  518.42 221.16 90 top
NOREF#6092  -  []  104.5 309.88 0 top
NOREF#6093  -  []  437.41 223.73 90 top
NOREF#6094  -  []  284.91 264.21 0 top
NOREF#6095  -  []  266.86 261.86 90 top
NOREF#6096  -  []  34.15 146.69 0 top
NOREF#6097  -  []  303.14 261.84 90 top
NOREF#6098  -  []  606.65 242.01 90 top
NOREF#6099  -  []  412.87 261.05 90 top
NOREF#6100  -  []  450.71 431.58 90 top
NOREF#6101  -  []  175.84 27.91 90 top
NOREF#6102  -  []  96.97 271.43 90 top
NOREF#6103  -  []  340.65 227.94 90 top
NOREF#6104  -  []  117.79 432.36 0 top
NOREF#6105  -  []  404.89 263.41 0 top
NOREF#6106  -  []  98.16 229.19 90 top
NOREF#6107  -  []  52.31 276.41 90 top
NOREF#6108  -  []  91 213.4 90 top
NOREF#6109  -  []  297.35 265.79 90 top
NOREF#6110  -  []  405.69 201.03 90 top
NOREF#6111  -  []  125.08 322.58 90 top
NOREF#6112  -  []  62.84 251.68 90 top
NOREF#6113  -  []  104.79 266.48 90 top
NOREF#6114  -  []  579.74 312.42 90 top
NOREF#6115  -  []  280.89 210.61 0 top
NOREF#6116  -  []  86.61 270.61 0 top
NOREF#6117  -  []  92.21 204.21 0 top
NOREF#6118  -  []  293.69 261.05 90 top
NOREF#6119  -  []  600.79 198.63 90 top
NOREF#6120  -  []  63.36 262.31 90 top
NOREF#6121  -  []  529.78 238.4 0 top
NOREF#6122  -  []  254.63 29.12 90 top
NOREF#6123  -  []  584.3 180.8 90 top
NOREF#6124  -  []  285.3 201.4 90 top
NOREF#6125  -  []  232.2 210.11 0 top
NOREF#6126  -  []  24.93 397.53 0 top
NOREF#6127  -  []  106.25 215.21 90 top
NOREF#6128  -  []  72.02 258.62 90 top
NOREF#6129  -  []  91.8 203 90 top
NOREF#6130  -  []  440.01 222.99 0 top
NOREF#6131  -  []  408.11 264.21 0 top
NOREF#6132  -  []  343.8 442.9 0 top
NOREF#6133  -  []  288.89 272.23 0 top
NOREF#6134  -  []  403.67 203.02 0 top
NOREF#6135  -  []  96.6 213.4 90 top
NOREF#6136  -  []  284.47 207.82 0 top
NOREF#6137  -  []  331.99 442.9 90 top
NOREF#6138  -  []  405.27 210.22 0 top
NOREF#6139  -  []  286.49 269.03 90 top
NOREF#6140  -  []  330.67 443.13 0 top
NOREF#6141  -  []  285.82 283.21 90 top
NOREF#6142  -  []  528.13 190.34 0 top
NOREF#6143  -  []  512.11 434.42 90 top
NOREF#6144  -  []  410.87 271.02 0 top
NOREF#6145  -  []  436.2 227.06 0 top
NOREF#6146  -  []  105.27 150.5 90 top
NOREF#6147  -  []  84.62 130.38 0 top
NOREF#6148  -  []  98.28 154.05 90 top
NOREF#6149  -  []  288.07 269.83 90 top
NOREF#6150  -  []  58.89 271.67 0 top
NOREF#6151  -  []  323.23 48.13 0 top
NOREF#6152  -  []  628.81 201.37 90 top
NOREF#6153  -  []  405.3 271 90 top
NOREF#6154  -  []  313.07 32.26 0 top
NOREF#6155  -  []  405.59 282.09 0 top
NOREF#6156  -  []  96.13 289.19 90 top
NOREF#6157  -  []  238.83 269.39 90 top
NOREF#6158  -  []  623.43 159.77 90 top
NOREF#6159  -  []  603.99 207.45 90 top
NOREF#6160  -  []  89.77 262.63 90 top
NOREF#6161  -  []  596.4 262.99 90 top
NOREF#6162  -  []  604.95 182.91 0 top
NOREF#6163  -  []  574.53 310.77 90 top
NOREF#6164  -  []  372.27 28.72 0 top
NOREF#6165  -  []  85.58 157.86 0 top
NOREF#6166  -  []  358.83 203.37 0 top
NOREF#6167  -  []  284.07 201.05 90 top
NOREF#6168  -  []  488.53 29.72 90 top
NOREF#6169  -  []  577.46 38.23 90 top
NOREF#6170  -  []  91 271.79 90 top
NOREF#6171  -  []  285.69 206.65 90 top
NOREF#6172  -  []  446.86 436.97 90 top
NOREF#6173  -  []  656.68 65.06 90 top
NOREF#6174  -  []  599.6 258.19 90 top
NOREF#6175  -  []  634.88 202.07 90 top
NOREF#6176  -  []  99 199.02 0 top
NOREF#6177  -  []  368.06 444.8 90 top
NOREF#6178  -  []  96.17 267.45 90 top
NOREF#6179  -  []  436.51 278.61 0 top
NOREF#6180  -  []  174.3 247.22 0 top
NOREF#6181  -  []  604.79 201.01 0 top
NOREF#6182  -  []  585.83 181.06 90 top
NOREF#6183  -  []  498.27 231.97 0 top
NOREF#6184  -  []  325.27 277.66 0 top
NOREF#6185  -  []  283.79 279.4 90 top
NOREF#6186  -  []  100.52 290.11 0 top
NOREF#6187  -  []  90.2 269.39 90 top
NOREF#6188  -  []  400.89 259.43 0 top
NOREF#6189  -  []  342.05 205.08 90 top
NOREF#6190  -  []  610.95 179.12 0 top
NOREF#6191  -  []  339.41 433.78 90 top
NOREF#6192  -  []  169.62 434.8 90 top
NOREF#6193  -  []  350.91 444.8 90 top
NOREF#6194  -  []  281.69 47.53 90 top
NOREF#6195  -  []  672.31 222.97 0 top
NOREF#6196  -  []  604.77 209.85 90 top
NOREF#6197  -  []  486.75 144.84 0 top
NOREF#6198  -  []  405.3 211 90 top
NOREF#6199  -  []  77.86 258.12 0 top
NOREF#6200  -  []  693.28 213.4 0 top
NOREF#6201  -  []  406.51 204.21 0 top
NOREF#6202  -  []  670.26 204.48 90 top
NOREF#6203  -  []  289.67 260.25 90 top
NOREF#6204  -  []  628.51 201.62 90 top
NOREF#6205  -  []  608.78 268.37 90 top
NOREF#6206  -  []  335.62 55.96 90 top
NOREF#6207  -  []  88.57 203.02 0 top
NOREF#6208  -  []  69.07 331.72 90 top
NOREF#6209  -  []  437.08 29.12 90 top
NOREF#6210  -  []  592.43 180.8 90 top
NOREF#6211  -  []  305.3 184.22 90 top
NOREF#6212  -  []  407.31 204.23 0 top
NOREF#6213  -  []  289.71 269.83 0 top
NOREF#6214  -  []  86.97 204.62 0 top
NOREF#6215  -  []  601.57 258.65 90 top
NOREF#6216  -  []  444.3 173.22 90 top
NOREF#6217  -  []  477.13 426.36 0 top
NOREF#6218  -  []  670.26 243.53 0 top
NOREF#6219  -  []  98.17 266.22 0 top
NOREF#6220  -  []  262.26 427.89 90 top
NOREF#6221  -  []  336.67 228.96 90 top
NOREF#6222  -  []  600.81 261.81 0 top
NOREF#6223  -  []  158.28 427.5 90 top
NOREF#6224  -  []  72.6 284.37 0 top
NOREF#6225  -  []  278.1 199.02 90 top
NOREF#6226  -  []  292.87 262.65 90 top
NOREF#6227  -  []  70.21 164.08 0 top
NOREF#6228  -  []  225.85 435.24 90 top
NOREF#6229  -  []  91.39 265.03 0 top
NOREF#6230  -  []  147.51 427.5 90 top
NOREF#6231  -  []  592.75 182.91 0 top
NOREF#6232  -  []  360.52 224.66 0 top
NOREF#6233  -  []  291.29 207.45 90 top
NOREF#6234  -  []  538.08 55.75 0 top
NOREF#6235  -  []  170.9 228.77 0 top
NOREF#6236  -  []  50.05 235.76 90 top
NOREF#6237  -  []  409.71 209.83 0 top
NOREF#6238  -  []  88.6 266.2 90 top
NOREF#6239  -  []  399.27 211.45 90 top
NOREF#6240  -  []  93.4 203 90 top
NOREF#6241  -  []  246.3 265.49 90 top
NOREF#6242  -  []  628.51 256.98 90 top
NOREF#6243  -  []  283.7 271 90 top
NOREF#6244  -  []  535.18 276.1 0 top
NOREF#6245  -  []  408.47 270.22 0 top
NOREF#6246  -  []  11.29 234.23 0 top
NOREF#6247  -  []  79.87 309.63 90 top
NOREF#6248  -  []  334.02 426.39 90 top
NOREF#6249  -  []  566.28 159.77 90 top
NOREF#6250  -  []  313.95 449.83 90 top
NOREF#6251  -  []  86.61 207.43 0 top
NOREF#6252  -  []  106.03 312.42 90 top
NOREF#6253  -  []  411.7 211.8 90 top
NOREF#6254  -  []  654.31 220.6 0 top
NOREF#6255  -  []  609.08 270.22 0 top
NOREF#6256  -  []  368.21 144.61 0 top
NOREF#6257  -  []  606.37 263.45 90 top
NOREF#6258  -  []  93.33 312.42 90 top
NOREF#6259  -  []  20.42 467.09 90 top
NOREF#6260  -  []  747.89 359.4 90 top
NOREF#6261  -  []  604.38 149.86 90 top
NOREF#6262  -  []  337.54 31.92 0 top
NOREF#6263  -  []  284.91 204.21 0 top
NOREF#6264  -  []  611 253.22 90 top
NOREF#6265  -  []  98.57 202.63 90 top
NOREF#6266  -  []  407.29 267.41 0 top
NOREF#6267  -  []  422.18 326.54 90 top
NOREF#6268  -  []  265.26 23.33 0 top
NOREF#6269  -  []  274.46 283.86 0 top
NOREF#6270  -  []  173.46 36.63 0 top
NOREF#6271  -  []  292.89 212.23 90 top
NOREF#6272  -  []  324.92 206.75 90 top
NOREF#6273  -  []  210.01 216.36 90 top
NOREF#6274  -  []  498.56 28.83 0 top
NOREF#6275  -  []  97.01 205.03 0 top
NOREF#6276  -  []  92.94 289.44 90 top
NOREF#6277  -  []  672.31 292.82 0 top
NOREF#6278  -  []  393.03 213.53 90 top
NOREF#6279  -  []  278.85 222.96 90 top
NOREF#6280  -  []  601.17 203.82 0 top
NOREF#6281  -  []  52.64 154.01 0 top
NOREF#6282  -  []  596.77 265.85 90 top
NOREF#6283  -  []  336.67 274.68 90 top
NOREF#6284  -  []  99.39 201.81 0 top
NOREF#6285  -  []  399.5 36.11 0 top
NOREF#6286  -  []  287.67 260.59 0 top
NOREF#6287  -  []  440.01 220.96 0 top
NOREF#6288  -  []  291.31 213.01 0 top
NOREF#6289  -  []  407.7 211.8 90 top
NOREF#6290  -  []  292.11 267.43 0 top
NOREF#6291  -  []  240.52 224.66 0 top
NOREF#6292  -  []  231.66 44.59 90 top
NOREF#6293  -  []  188.77 272.9 0 top
NOREF#6294  -  []  263.76 416.84 0 top
NOREF#6295  -  []  329.57 142.61 90 top
NOREF#6296  -  []  288.87 208.25 90 top
NOREF#6297  -  []  410.95 225.56 90 top
NOREF#6298  -  []  325.13 447.93 0 top
NOREF#6299  -  []  294.73 250.4 0 top
NOREF#6300  -  []  342.05 193.65 90 top
NOREF#6301  -  []  603.19 261.03 90 top
NOREF#6302  -  []  569.32 50.59 0 top
NOREF#6303  -  []  180.15 221.16 90 top
NOREF#6304  -  []  48.62 469.36 90 top
NOREF#6305  -  []  590.8 273.42 0 top
NOREF#6306  -  []  412.2 282.09 0 top
NOREF#6307  -  []  239.73 271.24 0 top
NOREF#6308  -  []  98.22 268.59 90 top
NOREF#6309  -  []  337.16 47.24 90 top
NOREF#6310  -  []  408.09 271.43 90 top
NOREF#6311  -  []  441.22 283.73 90 top
NOREF#6312  -  []  582.96 422.55 0 top
NOREF#6313  -  []  93.81 202.63 0 top
NOREF#6314  -  []  234.04 39.2 90 top
NOREF#6315  -  []  595.99 265.81 0 top
NOREF#6316  -  []  92.97 267.45 90 top
NOREF#6317  -  []  352.2 270.11 0 top
NOREF#6318  -  []  103.68 268.11 0 top
NOREF#6319  -  []  238.83 270.99 0 top
NOREF#6320  -  []  607.42 160.02 90 top
NOREF#6321  -  []  508.45 443.13 0 top
NOREF#6322  -  []  277.69 223.21 90 top
NOREF#6323  -  []  436.2 278.93 0 top
NOREF#6324  -  []  14.11 179.96 0 top
NOREF#6325  -  []  602.77 267.82 0 top
NOREF#6326  -  []  86.22 309.63 90 top
NOREF#6327  -  []  400.89 262.63 90 top
NOREF#6328  -  []  595.57 269.42 0 top
NOREF#6329  -  []  554.97 422.8 0 top
NOREF#6330  -  []  582.96 414.93 90 top
NOREF#6331  -  []  13.21 410.87 90 top
NOREF#6332  -  []  292.09 208.21 0 top
NOREF#6333  -  []  559.57 427.65 90 top
NOREF#6334  -  []  679.31 292.82 0 top
NOREF#6335  -  []  284.11 201.81 0 top
NOREF#6336  -  []  286.1 264.6 90 top
NOREF#6337  -  []  130.67 159.77 90 top
NOREF#6338  -  []  489.78 447.45 0 top
NOREF#6339  -  []  84.82 229.44 90 top
NOREF#6340  -  []  89.4 271 90 top
NOREF#6341  -  []  290.47 211.45 90 top
NOREF#6342  -  []  174.3 305.22 0 top
NOREF#6343  -  []  510.41 443.53 90 top
NOREF#6344  -  []  354.59 442.9 90 top
NOREF#6345  -  []  236.58 289.54 0 top
NOREF#6346  -  []  682.28 49.29 90 top
NOREF#6347  -  []  369.13 332.54 90 top
NOREF#6348  -  []  287.9 277.54 90 top
NOREF#6349  -  []  388.7 431.58 90 top
NOREF#6350  -  []  402.97 252.32 90 top
NOREF#6351  -  []  288.5 212.6 90 top
NOREF#6352  -  []  291.29 208.25 90 top
NOREF#6353  -  []  618.68 322.4 90 top
NOREF#6354  -  []  86.61 267.43 0 top
NOREF#6355  -  []  602.8 199.8 90 top
NOREF#6356  -  []  283.24 220.07 0 top
NOREF#6357  -  []  66.87 251.51 90 top
NOREF#6358  -  []  96.13 290.41 90 top
NOREF#6359  -  []  312.48 274.83 0 top
NOREF#6360  -  []  440.02 278.28 0 top
NOREF#6361  -  []  685.63 157.52 90 top
NOREF#6362  -  []  378.7 32.38 90 top
NOREF#6363  -  []  336.67 218.18 90 top
NOREF#6364  -  []  274.78 279.15 90 top
NOREF#6365  -  []  605.2 272.62 90 top
NOREF#6366  -  []  325.13 453.01 0 top
NOREF#6367  -  []  602 211 90 top
NOREF#6368  -  []  141.18 240.39 0 top
NOREF#6369  -  []  239.73 211.24 0 top
NOREF#6370  -  []  281.75 283.21 90 top
NOREF#6371  -  []  602.41 207.43 0 top
NOREF#6372  -  []  81.77 335.53 0 top
NOREF#6373  -  []  604.81 208.21 0 top
NOREF#6374  -  []  284.87 269.85 90 top
NOREF#6375  -  []  286.32 254.31 0 top
